# KiCad board ILI9341_ESP32.kicad_pcb (continued)
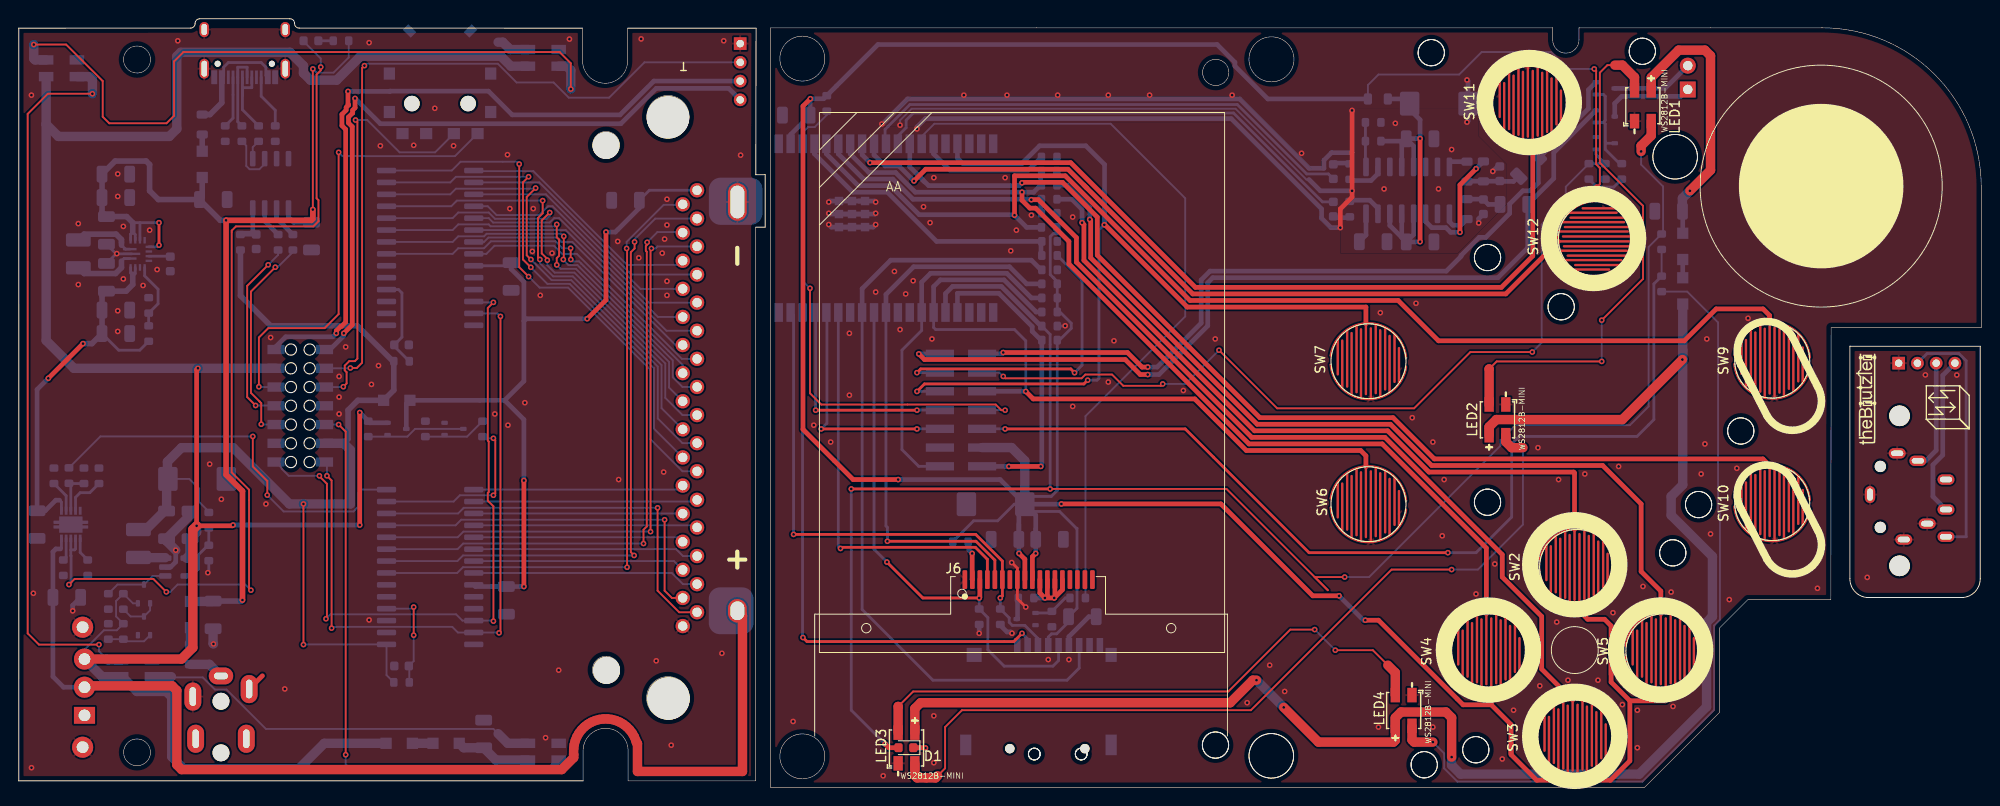
[diagram p0: board, top side]
## Routing (per net, layer and track width the routed paths; a pad name or vN(x,y) marks a point on that pad's centre or on a via; arc(x,y) is an arc through that point) (continued)
/V_BATT: length 250.3
  Top w0.5: v1(22.85,27.97) 22.77,27.89 v1(18.96,27.89) 18.96,44.54 v1(19.1,44.69) ; v1(36.35,39.97) v1(36.35,27.97)
  Top w1: v1(18.96,27.89) 18.56,27.49 18.56,14.89 17.34,13.67 SW1.3
  Bottom w0.2: Q10.2 12.18,19.62 R58.1 10.38,19.87 10.38,18.22 11.15,17.44 10.45,16.74 9.08,16.74 7.01,14.68 SW1.3
  Bottom w0.3: 17.9,24.09 U2.4
  Bottom w0.5: Q5.2 37.42,38.87 R34.1 37.25,39.07 v1(36.35,39.97) ; v1(22.85,27.97) v1(36.35,27.97)
  Bottom w1: v1(18.96,27.89) 18.96,27.21 C8.1 18.26,24.8 U2.4 ; 2.92,70.72 4.22,69.42 16.05,69.42 16.85,70.22 16.85,77.97 17.27,78.39 28.91,78.39 30.35,76.95 30.35,76.17 31.1,75.42 33.89,75.42 36.44,77.97 51.4,77.97 52.46,76.91 LED5.1 ; 2.92,70.72 LED6.1 ; 2.92,70.72 2.92,47.65 5.88,44.69 v1(19.1,44.69) U12.11 ; D7.2 32.57,4.69 29.85,1.97 17.6,1.97 16.31,3.26 16.31,9.63 15.72,10.22 12.6,10.22 11.02,11.8 LED7.1 8.88,11.8 SW1.3
/VUSB: length 123.2
  Top w0.2: v1(31.35,76.62) v1(31.35,61.62)
  Top w0.3: v1(14.95,57.82) v1(14.95,60.22)
  Top w0.6: v1(23.85,19.97) 23.85,31.59 22.1,33.34 v1(22.1,60.47) 31.2,60.47 31.35,60.62 v1(31.35,61.62)
  Bottom w0.2: v1(31.35,76.62) 31.75,76.22 33.55,76.22 35.18,77.84 R57.1
  Bottom w0.3: U11.13 11.92,58.99 12.15,59.22 12.42,58.95 U11.12 ; v1(14.95,57.82) 14.78,57.64 U11.1 ; 12.92,60.22 12.15,60.22 ; 12.92,60.22 U11.14 ; 12.92,60.22 v1(14.95,60.22)
  Bottom w0.5: U1.5 28.76,60.81 29.31,60.26 C11.1
  Bottom w0.6: C11.1 31.35,60.4 v1(31.35,61.62) ; C2.1 21.48,60.47 v1(22.1,60.47) ; C2.1 14.88,62.69 13.95,63.62 13.95,66.42 13.58,66.79 10.27,66.79 C34.1 8.88,61.34 C35.1 11.5,60.87 12.15,60.22 12.15,59.22 ; C2.1 19.56,62.98 D3.1 ; C19.1 23.74,19.86 v1(23.85,19.97)
  Bottom w1: C19.1 20.68,19.82 D2.1
Net-(BT1-+): length 122.8
  Top w1: J9.1 77.15,18.28 77.15,1.69 65.96,1.69 65.96,4.66 65.84,4.78 65.79,4.98 65.62,5.39 65.39,5.78 65.12,6.13 64.81,6.45 64.45,6.72 64.07,6.94 63.65,7.11 63.22,7.23 62.78,7.29 62.33,7.29 61.89,7.23 61.46,7.11 61.05,6.94 60.66,6.72 60.31,6.45 59.99,6.13 59.72,5.78 59.5,5.39 59.33,4.98 59.21,4.55 59.16,4.12 59.15,3.49 59.16,3.48 59.16,3.16 57.88,1.89 17.36,1.89 16.85,2.39 16.85,10.32 16.35,10.82 7.15,10.82 SW1.2
  Bottom w0.3: 4.45,25.42 4.55,25.52 U9.10
  Bottom w0.5: SW1.2 4.77,10.67 3.64,11.8 C3.1 ; 4.45,25.42 3.95,25.42 3.64,25.11 C3.1 ; C3.1 3.45,20.45
Net-(C12-Pad2): length 1.8
  Bottom w0.5: 141.89,60.75 140.27,60.75 C12.2
Net-(C13-Pad2): length 1.8
  Bottom w0.5: 141.89,66.58 140.27,66.58 C13.2
Net-(C15-Pad1): length 5.5
  Bottom w0.5: C15.1 157.93,64.62 159.35,64.62 C18.1 ; FB3.2 154.42,64.64 157.64,64.64
Net-(C16-Pad2): length 3.8
  Bottom w0.5: C17.1 156.66,62.16 C16.2 156.1,62.73 FB2.2
Net-(D1-K): length 2.6
  Top w0.5: D1.1 96.63,4.22 v1(96.66,4.19)
  Bottom w0.5: R20.1 95.43,4.19 v1(96.66,4.19)
Net-(D2-A): length 1.8
  Bottom w1: FB7.2 D2.2
Net-(D3-A): length 1.8
  Bottom w0.6: FB6.2 D3.2
Net-(D4-A): length 1.6
  Bottom w0.3: D4.2 R57.2
Net-(D6-A): length 2.2
  Bottom w1: D7.1 D6.2
Net-(D6-K): length 8.1
  Bottom w1: D6.1 47.43,4.21 C27.1 50.86,2.91 LED8.1
Net-(D11-A): length 2
  Bottom w0.5: D11.2 D12.1
Net-(D11-K): length 29.3
  Top w1: v1(178.15,63.62) 180.35,65.82 180.35,78.02 179.75,78.62 176.95,78.62 174.03,75.69 LED1.1
  Bottom w0.5: D11.1 177.39,61.41 C29.1
  Bottom w1: v1(178.15,63.62) 177.35,62.82 177.35,61.45 C29.1
Net-(D12-A): length 173.4
  Top w1: v1(152.75,3.22) 152.75,7.42 152.14,8.02 147.36,8.02 146.75,7.41 LED4.1 146.75,5.01 146.55,4.82 138.55,4.82 v1(134.85,8.52) ; LED2.1 156.75,38.44 157.52,39.22 170.95,39.22 v1(177.35,45.62) ; v1(131.95,11.42) 131.55,11.42 129.15,9.02 96.15,9.02 95.53,8.39 LED3.1
  Bottom w1: v1(131.95,11.42) v1(134.85,8.52) ; 177.39,46.62 177.39,32.25 176.15,31.02 176.15,29.02 180.55,24.62 180.55,18.2 179.93,17.58 179.93,8.58 172.75,1.4 153.7,1.4 152.75,2.35 v1(152.75,3.22) ; 177.39,46.62 177.39,45.65 v1(177.35,45.62) ; 177.39,46.62 D12.2
Net-(DC1-Pad2): length 3.8
  Bottom w1: FB7.1 20.32,13.11 DC1.2
Net-(FB6-Pad1): length 12.6
  Bottom w0.3: 21.64,75.63 J1.A4 21.84,75.92 21.84,76.8 22.34,77.3 25.84,77.3 26.34,76.8 26.34,75.92 J1.A9
  Bottom w0.6: J1.A4 21.64,73.01 20.38,71.75 FB6.1
Net-(J1-CC1): length 6.4
  Bottom w0.2: 22.84,74.77 22.84,73.85
  Bottom w0.3: R4.2 22.84,71.38 J1.A5
Net-(J1-CC2): length 5.7
  Bottom w0.3: 27.34,70.63 27.34,72.21 25.84,73.71 J1.B5
Net-(J1-D+-PadA6): length 10.3
  Bottom w0.2: 25.57,70.63 25.34,70.63 ; 23.89,74.62 23.89,73.74 23.84,73.79 23.84,74.77 23.89,74.72 23.89,74.62
  Bottom w0.3: R7.1 23.84,72.27 J1.A6 ; J1.B6 24.84,74.65 24.81,74.62 23.89,74.62
Net-(J1-D--PadA7): length 8.5
  Bottom w0.3: R6.2 23.34,70.99 J1.B7 23.34,76.8 24.34,76.8 J1.A7
Net-(J2-Pin_1):
  vias: v1(197.06,22.38) v1(203.26,43.98) v1(206.6,43.97)
Net-(J2-Pin_2): length 26.9
  Bottom w0.3: CN1.6 207.59,26.72 207.6,26.73 207.6,45.49 206.83,46.26 203.43,46.26 J2.2
Net-(J2-Pin_3): length 11.7
  Bottom w0.5: J2.3 204.41,35.93 203.29,34.82 CN1.3
Net-(J2-Pin_4): length 17.2
  Bottom w0.5: J2.4 205.11,43.93 205.11,35.43 204.06,34.38 204.06,31.01 CN1.2
Net-(J6-Pin_2): length 4.2
  Top w0.5: J6.2 101.64,22.17 v1(101.64,24.94)
  Bottom w0.5: 101.3,26.19 101.3,25.28 v1(101.64,24.94)
Net-(J6-Pin_11): length 10.6
  Top w0.5: v1(109.39,20.19) v1(110.39,20.19) ; v1(109.39,20.19) 109.66,20.46 J6.12 ; v1(109.39,20.19) 108.86,20.72 J6.11 ; v1(110.39,20.19) 110.46,20.26 J6.13 ; v1(110.39,20.19) 111.26,21.06 J6.14
  Bottom w0.5: v1(109.39,20.19) 108.3,20.19
Net-(LED1-DOUT): length 56.6
  Top w0.2: v1(168.75,45.42) 157.55,45.42 156.75,44.62 ; v1(168.75,49.82) 173.15,54.22 173.15,62.02 168.55,66.62 168.55,76.22 169.35,77.02 170.15,77.02
  Top w1: LED2.4 156.75,44.61 156.75,44.62 ; LED1.2 172.25,75.72 170.95,77.02 170.15,77.02
  Bottom w0.2: v1(168.75,49.82) v1(168.75,45.42)
Net-(LED2-DOUT): length 91
  Top w0.2: v1(152.75,23.22) 146.35,23.22 131.35,8.22 100.55,8.22 98.75,6.42 98.75,2.02 97.95,1.22
  Top w1: 97.95,1.22 97.73,1 95.77,1 95.53,1.24 LED3.4 ; LED2.2 158.53,36.84 159.15,36.22 v1(160.35,36.22)
  Bottom w0.2: v1(152.75,23.22) 155.55,23.22 160.35,28.02 v1(160.35,36.22)
Net-(LED3-DOUT): length 63.5
  Top w0.2: v1(138.15,16.82) 135.55,16.82 128.95,10.22 95.35,10.22 93.75,8.62 ; 145.95,13.02 144.35,14.62 v1(140.35,14.62)
  Top w1: 145.95,13.02 146.75,12.22 LED4.4 ; LED3.2 93.75,8.61 93.75,8.62
  Bottom w0.2: v1(140.35,14.62) v1(138.15,16.82)
Net-(LED4-DOUT): length 88.7
  Top w1: LED4.2 148.53,5.04 148.75,4.82 v1(150.75,4.82)
  Bottom w0.2: R42.1 177.86,52.86 181.15,49.57 181.15,29.4 181.35,29.2 181.35,17.87 180.73,17.25 180.73,8.25 173.08,0.6 153.37,0.6 151.95,2.02 151.95,3.62 v1(150.75,4.82)
Net-(LED5-DIN): length 79.1
  Top w0.2: v1(58.85,74.47) 58.85,77.22 57.65,78.42 17.55,78.42 16.55,77.42 16.55,71.62 15.75,70.82 9.65,70.82 8.95,71.52 8.95,75.32 5.05,79.22 v1(1.6,79.22)
  Bottom w1: v1(58.85,74.47) 58.85,76.47 58.41,76.91 LED5.4 ; LED6.2 1.74,77.58 1.6,77.72 v1(1.6,79.22)
Net-(LED6-DIN): length 78
  Top w0.2: v1(8.55,15.22) 2.15,15.22 0.95,16.42 0.95,71.82 3.1,73.97 v1(7.85,73.97)
  Bottom w0.2: v1(8.55,15.22) 8.55,14.52 9.35,13.72
  Bottom w1: 9.35,13.72 9.49,13.58 LED7.2 ; v1(7.85,73.97) 7.85,75.47 7.52,75.8 LED6.4
Net-(LED7-DIN): length 42.9
  Bottom w0.2: 16.35,11.72 19.61,11.72 20.91,10.42 22.15,10.42 26.35,6.22 50.6,6.22 51.1,5.72
  Bottom w1: 51.1,5.72 52.13,4.69 LED8.2 ; 16.27,11.8 LED7.4
Net-(Q2-B): length 4.3
  Bottom w0.3: R46.2 111.56,20.19 R23.1 109.96,18.59 Q2.1
Net-(Q2-C): length 2.3
  Bottom w0.5: Q2.3 106.47,18.03 106.47,20.19
Net-(Q3-G): length 11.3
  Bottom w0.3: 169.14,68.89 169.14,68.69 Q8.3 ; 169.14,68.89 169.14,70.74 168.94,70.94 ; 169.14,68.89 169.14,68.03 170.65,66.51 R39.2 ; Q7.1 168.94,73.89 169.14,73.69 169.14,71.14 168.94,70.94 ; 168.94,70.94 168.89,70.89 Q3.1
Net-(Q6-B): length 6.8
  Bottom w0.2: R33.1 47.79,37.4 R30.2
Net-(Q9-B): length 4.8
  Bottom w0.2: Q9.1 13.35,15.57 11.38,15.57 R60.2 R59.1
Net-(Q10-D): length 6.9
  Bottom w0.2: R9.1 10.53,21.62 Q10.3 14.27,22.54 U2.1
  Bottom w0.3: 15.57,22.49 U2.1
Net-(Q10-G): length 4.2
  Bottom w0.2: Q10.1 14,18.87 Q9.3 11.93,18.22 11.15,18.99
Net-(R41-Pad2): length 106
  Top w0.3: v1(105.15,38.22) 124.35,38.22 137.55,25.02 v1(152.35,25.02)
  Bottom w0.2: R41.2 R42.2
  Bottom w0.3: U8.6 105.14,38.23 v1(105.15,38.22) ; v1(152.35,25.02) 155.35,25.02 159.15,28.82 159.15,36.62 159.95,37.42 172.51,37.42 174.31,39.22 174.31,53.69 R42.2
Net-(U1-RXD): length 3.4
  Bottom w0.5: R44.2 26.22,60.38 U1.7
Net-(U1-TXD): length 3.6
  Bottom w0.5: U1.6 27.49,60.69 R43.2
Net-(U2-FB): length 6.3
  Bottom w0.3: 20.26,27.57 20.26,25.9 19.16,24.8 19.16,23.29 18.41,22.54 U2.5
Net-(U2-SW): length 2.9
  Bottom w1: L1.1 12.78,24.49 15.62,24.49
Net-(U3-IO12): length 13.9
  Bottom w0.5: R56.2 107.63,65.82 99.26,65.82 97.53,67.55 U3.14
Net-(U4-+OUT_L): length 3.2
  Bottom w0.5: FB2.1 153.72,59.94 152.89,59.94 152.51,60.31 U4.1
Net-(U4-+OUT_R): length 2.4
  Bottom w0.5: U4.16 152.51,66.64 152.6,66.73 FB3.1
Net-(U4--OUT_L): length 13.6
  Top w0.5: v1(155.35,65.97) 153.64,64.25 v1(153.64,59.19)
  Bottom w0.5: FB4.1 v1(155.35,65.97) ; v1(153.64,59.19) 152.65,59.19 152.15,59.69 150.64,59.69 149.97,60.35 U4.3
Net-(U4-INL): length 4
  Bottom w0.5: U4.7 144.89,61.75 144.02,62.61 141.92,62.61 141.89,62.58
Net-(U4-INR): length 4
  Bottom w0.5: 141.89,64.75 141.92,64.71 144.16,64.71 144.89,65.44 U4.10
Net-(U4-MODE): length 4.8
  Bottom w0.3: U4.9 143.56,66.22 R2.1
Net-(U4-PVDDL): length 40.3
  Top w0.5: v1(149.39,58.19) v1(149.39,69.19)
  Bottom w0.5: U4.6 146.16,59.91 C7.1 ; C7.1 149.36,58.16 v1(149.39,58.19) ; C7.1 147.43,58.64 U4.5 ; C7.1 148.7,58.95 U4.4 ; C6.1 147.94,69.19 v1(149.39,69.19) 149.39,71.19 148.27,72.3 C5.1 147.77,73.41 FB1.2 ; C6.1 147.66,68.91 R1.1 ; C6.1 148.7,68.37 U4.13 ; C6.1 147.43,68.68 U4.12
Net-(U4-VREF): length 3.3
  Bottom w0.5: U4.8 143.62,58.9 C14.1
Net-(U5-~{RESET}): length 10.1
  Bottom w0.3: R24.2 40.03,47.03 C21.2 40.85,48 40.85,52.72 40.49,53.08 U5.18
Net-(U6-GPA6): length 19.1
  Top w0.2: v1(50.6,31.14) 50.8,31.34 50.8,37.02 v1(50.6,37.22)
  Bottom w0.2: U6.27 46.36,30.47 47.03,31.14 v1(50.6,31.14) ; R30.1 49.62,37.22 v1(50.6,37.22)
Net-(U6-~{RESET}): length 11.2
  Top w0.2: v1(42.1,19.22) v1(42.1,16.22)
  Bottom w0.2: v1(42.1,16.22) 42.1,13.45 C22.2 41.63,12.89 R29.2 ; v1(42.1,19.22) 41.93,19.04 U6.18
Net-(U9-CHM_TMR): length 2.6
  Bottom w0.3: R49.2 6.55,25.04 U9.6
Net-(U9-IN): length 43.3
  Top w0.5: v1(3.15,43.62) v1(6.85,47.32)
  Bottom w0.3: U11.7 12.42,54.79 12.35,54.72 12.05,54.72 11.92,54.85 U11.8 ; U9.1 4.55,30.42 4.35,30.62 ; R52.2 12.9,46.62 10.65,46.62 C37.1
  Bottom w0.5: v1(3.15,43.62) 1.95,42.42 C33.2 2.83,29.49 3.95,30.62 4.35,30.62
  Bottom w0.6: v1(6.85,47.32) 7.8,47.32 C37.1 8.88,52.44 C32.2 11.45,52.92 12.15,53.62 12.15,54.72
Net-(U9-ISET): length 3.4
  Bottom w0.3: U9.2 5.05,31.09 R50.1
Net-(U9-TS): length 4.5
  Bottom w0.3: U9.4 6.05,30.92 6.55,31.42 7.58,31.42 R53.1
Net-(U9-VSET): length 2.4
  Bottom w0.3: R48.2 5.05,24.54 U9.9
Net-(U9-~{CE}): length 4.6
  Bottom w0.2: 5.38,32.39 R55.1
  Bottom w0.3: R54.2 5.38,32.39 ; R55.1 5.55,32.22 U9.3
Net-(U11-FB): length 7.2
  Bottom w0.3: R52.1 R51.2 14.85,51.57 14.85,53.12 13.42,54.55 U11.5
Net-(U11-L1): length 6.7
  Bottom w0.3: 10.95,57.82 11.38,57.39 U11.11
  Bottom w0.6: 10.95,57.82 10.95,58.42 10.38,58.99 6.96,58.99 L2.1
Net-(U11-L2): length 6.8
  Bottom w0.3: 10.95,56.12 11.23,56.39 U11.9
  Bottom w0.6: L2.2 6.96,54.79 10.32,54.79 10.95,55.43 10.95,56.12
Net-(U11-Vaux): length 2.3
  Bottom w0.3: U11.3 16.1,56.64 C36.1
unconnected-(LED5-DOUT-Pad2): length 3.5
  Bottom w1: LED5.2 52.38,78.69 51.6,79.47 51.1,79.47

## Copper pours and planes (outline as drawn; the poured copper is in the pictures)
GND on Top, Bottom: 91.89,70.44 95.14,73.69 130.14,73.69 137.89,65.94 138.89,65.94 138.89,66.94 139.89,67.94 141.89,67.94 141.89,72.44 155.64,72.44 155.64,69.44 158.64,66.44 158.64,62.19 153.39,56.94 140.89,56.94 140.89,59.69 139.64,59.69 138.64,60.69 138.64,61.69 129.39,70.94 96.39,70.94 95.89,70.44
GND on Top, Bottom: 80.24,81.04 209.09,81.09 209.09,49.03 193.24,48.98 193.24,19.84 184.44,19.84 181.44,16.84 181.44,-0.36 80.24,-0.36
GND on Top, Bottom: -0.15,0.72 -0.15,80.97 78.6,80.97 78.6,0.72
Net-(J2-Pin_1) on Top, Bottom: 195.06,47.18 195.06,20.18 209.06,20.18 209.06,47.18

## Text on the board
B.Fab: ${REFERENCE}
B.Silkscreen: DMG_ESP32 / AUDIO / V2
User.Drawings: weiter raus | 1mm weiter nach oben | dc buchse nicht hoch genug
F.Silkscreen: AA
